# Altium PCB Main_Board.PcbDoc (part 13 of 19) (continued)
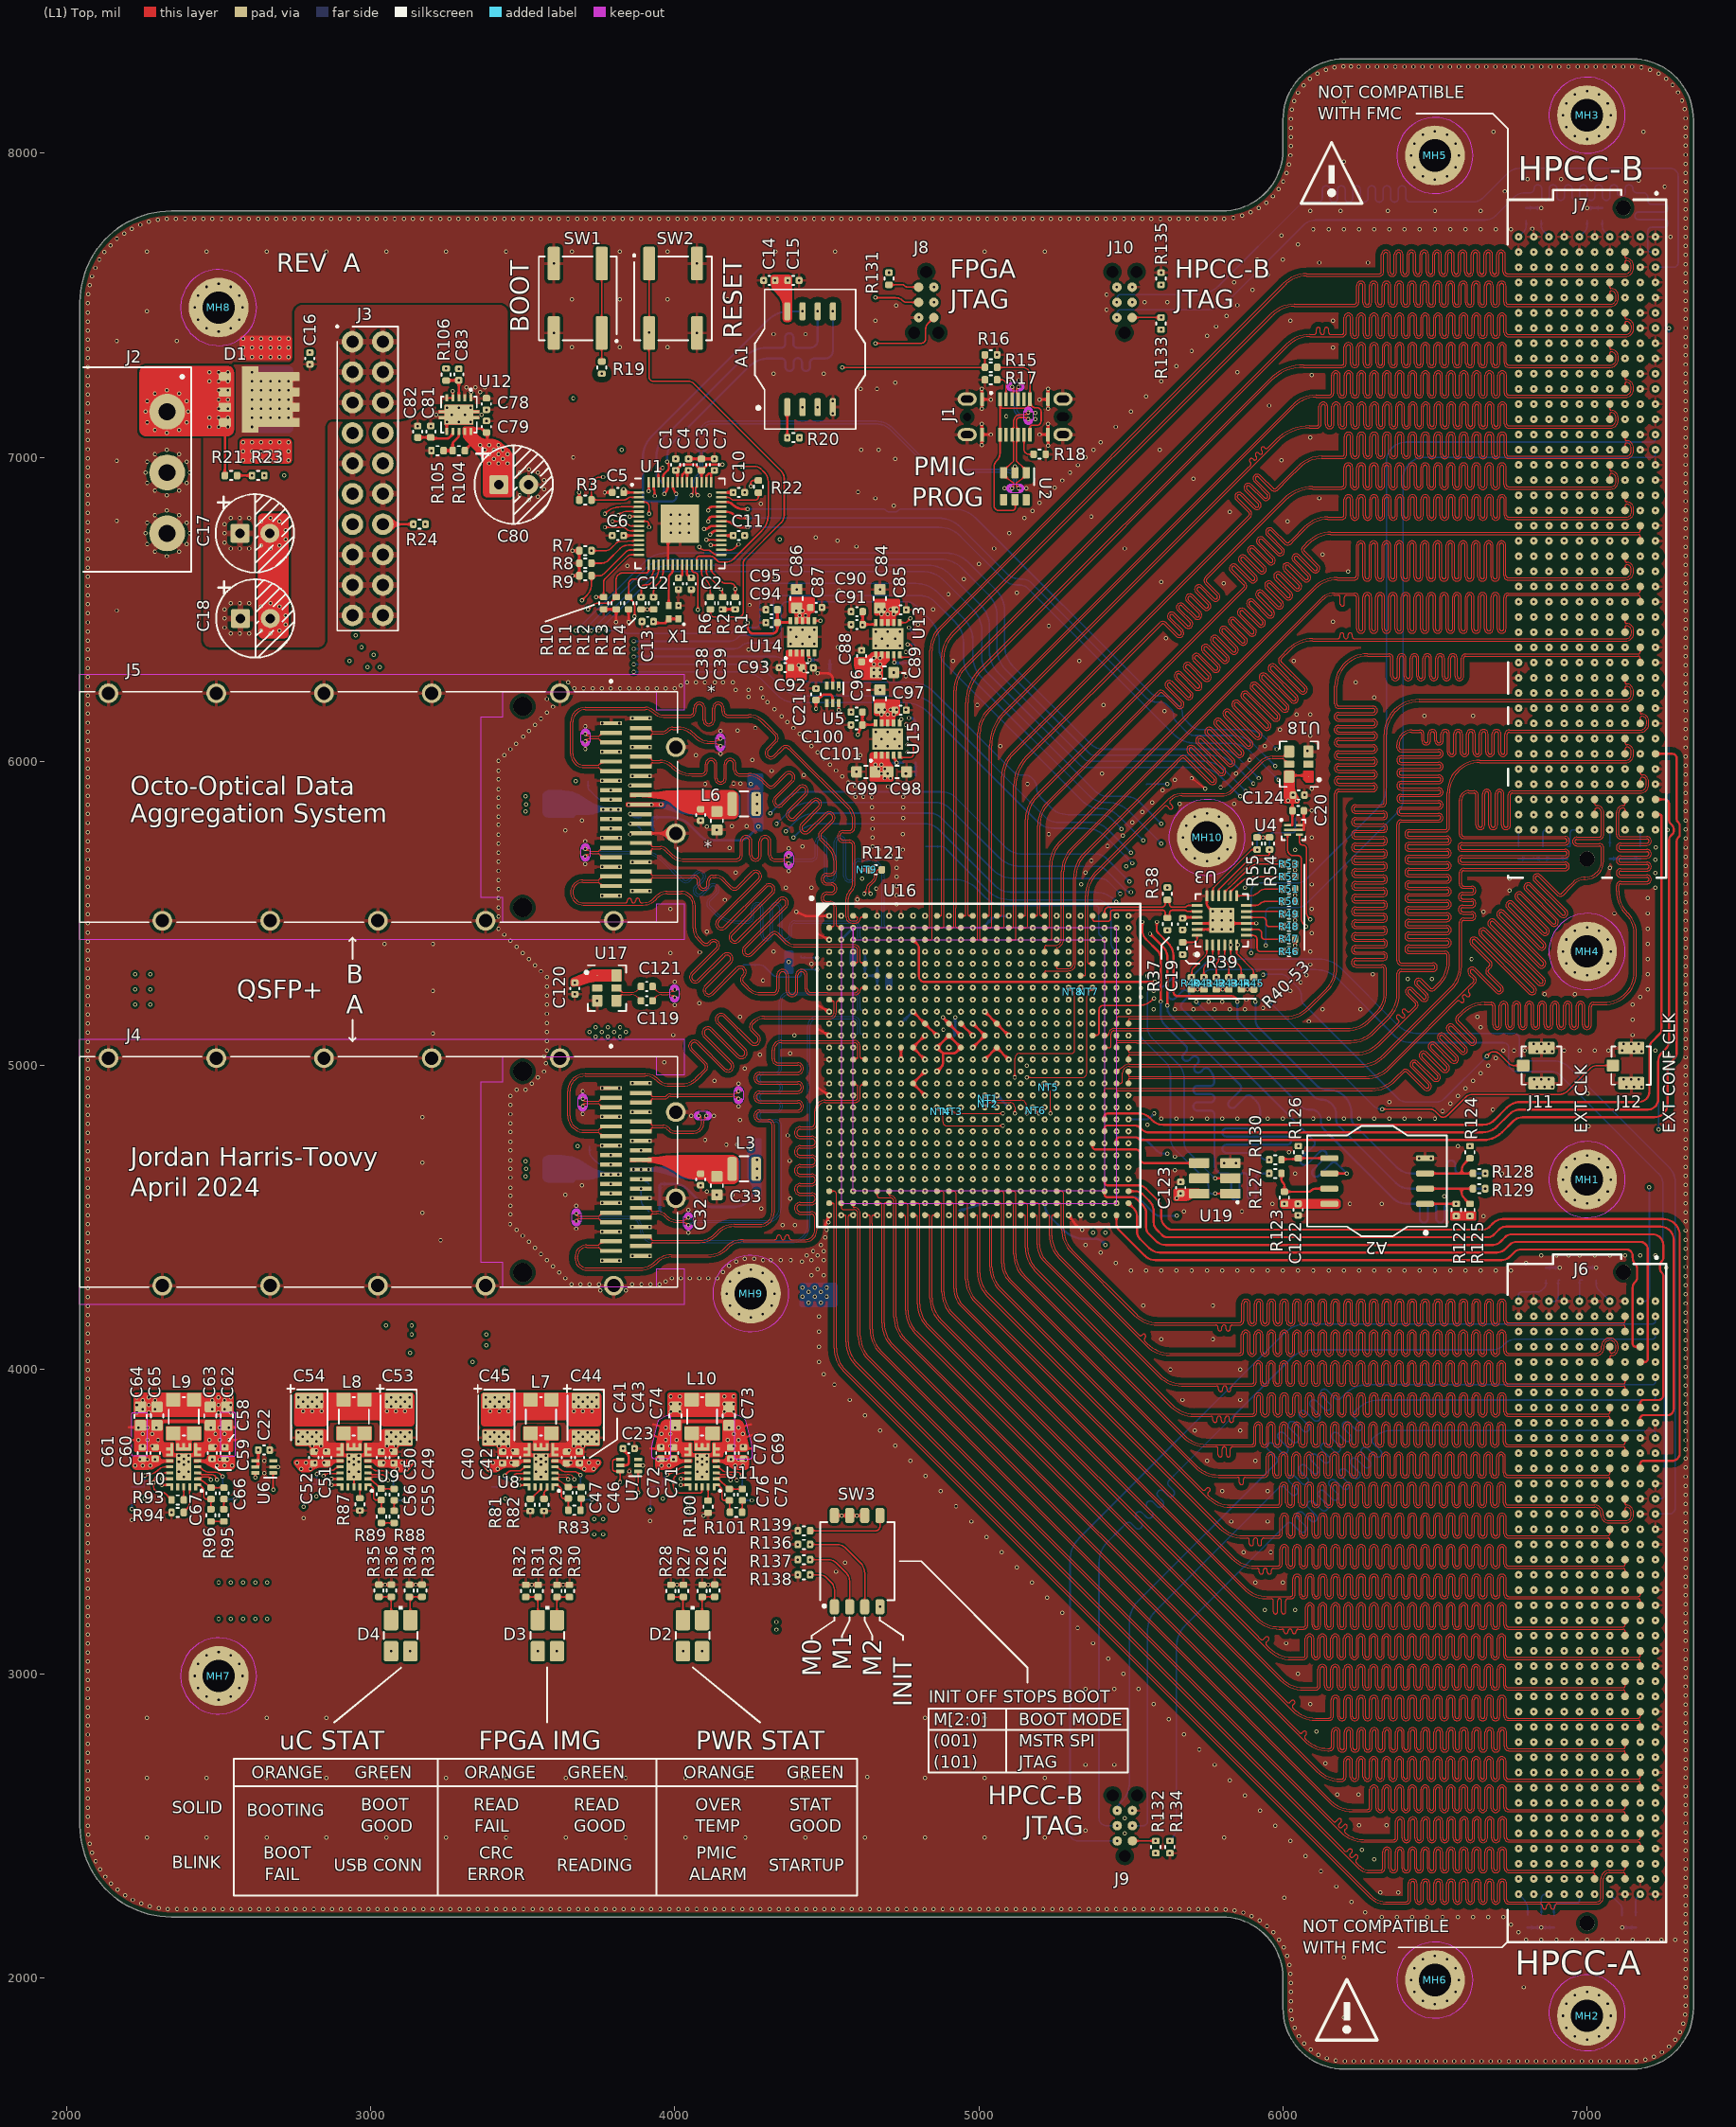
[diagram p0: (L1) Top view]
## Nets (pads, with @x,y where several pads share a name; then routed paths per layer and width w, separated by ;. In a path a pad name is that pad's centre, name@x,y a point inside that pad or via, vN(x,y) a via of type N, cw(c..) or ccw(c..) an arc to the next point about the centre after c; other vN are vias at no path point) (continued)
HPCC_B_35_P: J7.F4 U16.E11 | length 4159.4
  (L8) Inner 7 w3.5: v1(4901.57,5334.65) 4883.35,5334.65 cw(c4883.35,5339.74) 4878.26,5339.74 4878.26,5516.23 ccw(c4875.78,5516.23) 4877.53,5517.98 cw(c4879.28,5519.73) 4876.81,5519.73 4876.81,6344.19 cw(c4985.61,6344.19) 4908.68,6421.12 6010.49,7522.93 cw(c6087.42,7446) 6087.42,7554.8 6271.98,7554.8 6299.45,7554.8 cw(c6299.45,7539.25) 6315,7539.25 6315,7511.07 ccw(c6321.75,7511.07) 6328.5,7511.07 6328.5,7539.43 cw(c6344.05,7539.43) 6359.6,7539.43 6359.6,7511.07 ccw(c6366.35,7511.07) 6373.1,7511.07 6373.1,7539.43 cw(c6388.65,7539.43) 6404.2,7539.43 6404.2,7511.07 ccw(c6410.95,7511.07) 6417.7,7511.07 6417.7,7539.43 cw(c6433.25,7539.43) 6448.8,7539.43 6448.8,7511.07 ccw(c6455.55,7511.07) 6462.3,7511.07 6462.3,7539.43 cw(c6477.85,7539.43) 6493.4,7539.43 6493.4,7511.07 ccw(c6500.15,7511.07) 6506.9,7511.07 6506.9,7539.43 cw(c6522.45,7539.43) 6538,7539.43 6538,7511.07 ccw(c6544.75,7511.07) 6551.5,7511.07 6551.5,7539.25 cw(c6567.05,7539.25) 6567.05,7554.8 6573.2,7554.8 6972,7554.8 ccw(c6972,7557.8) 6975,7557.8 v1(6975,7575)
HPCC_B_36_N: J7.F9 U16.E12 | length 4185.3
  (L8) Inner 7 w3.5: v1(4940.94,5334.65) 4953.45,5334.65 ccw(c4953.45,5338.15) 4955.93,5335.67 ccw(c4953.45,5338.15) 4956.95,5338.15 4956.95,6214.33 cw(c5065.75,6214.33) 4988.82,6291.27 5969.49,7271.93 cw(c6046.42,7195) 6046.42,7303.8 6446,7303.8 6475.69,7303.8 ccw(c6475.69,7310.55) 6482.44,7310.55 6482.44,7356.46 cw(c6497.99,7356.46) 6513.54,7356.46 6513.54,7309.76 ccw(c6520.29,7309.76) 6527.04,7309.76 6527.04,7356.46 cw(c6542.59,7356.46) 6558.14,7356.46 6558.14,7309.76 ccw(c6564.89,7309.76) 6571.64,7309.76 6571.64,7356.46 cw(c6587.19,7356.46) 6602.74,7356.46 6602.74,7309.76 ccw(c6609.49,7309.76) 6616.24,7309.76 6616.24,7356.46 cw(c6631.79,7356.46) 6647.34,7356.46 6647.34,7309.76 ccw(c6654.09,7309.76) 6660.84,7309.76 6660.84,7356.46 cw(c6676.39,7356.46) 6691.94,7356.46 6691.94,7309.76 ccw(c6698.69,7309.76) 6705.44,7309.76 6705.44,7356.46 cw(c6720.99,7356.46) 6736.54,7356.46 6736.54,7310.55 ccw(c6743.29,7310.55) 6743.29,7303.8 6771.74,7303.8 6981.8,7303.8 ccw(c6981.8,7319) 6997,7319 6997,7329 ccw(c6979,7329) 6979,7347 ccw(c6979,7343) 6975,7343 v1(6975,7325)
HPCC_B_36_P: J7.F8 U16.E13 | length 4241.8
  (L8) Inner 7 w3.5: v1(4980.31,5334.65) 4967.8,5334.65 cw(c4967.8,5338.15) 4965.33,5335.67 cw(c4967.81,5338.15) 4964.3,5338.15 4964.3,5516.23 cw(c4966.78,5516.23) 4965.03,5517.98 ccw(c4963.28,5519.73) 4965.75,5519.73 4965.75,6214.33 cw(c5065.75,6214.33) 4995.04,6285.04 5975.71,7265.71 cw(c6046.42,7195) 6046.42,7295 6360.48,7295 6375.73,7295 cw(c6375.73,7288.25) 6382.48,7288.25 6382.48,7285.42 ccw(c6389.23,7285.42) 6395.98,7285.42 6395.98,7289.7 cw(c6402.73,7289.7) 6409.48,7289.7 6409.48,7285.42 ccw(c6416.23,7285.42) 6422.98,7285.42 6422.98,7288.25 cw(c6429.73,7288.25) 6429.73,7295 6444,7295 6446,7295 6475.69,7295 ccw(c6475.69,7310.55) 6491.24,7310.55 6491.24,7356.46 cw(c6497.99,7356.46) 6504.74,7356.46 6504.74,7309.76 ccw(c6520.29,7309.76) 6535.84,7309.76 6535.84,7356.46 cw(c6542.59,7356.46) 6549.34,7356.46 6549.34,7309.76 ccw(c6564.89,7309.76) 6580.44,7309.76 6580.44,7356.46 cw(c6587.19,7356.46) 6593.94,7356.46 6593.94,7309.76 ccw(c6609.49,7309.76) 6625.04,7309.76 6625.04,7356.46 cw(c6631.79,7356.46) 6638.54,7356.46 6638.54,7309.76 ccw(c6654.09,7309.76) 6669.64,7309.76 6669.64,7356.46 cw(c6676.39,7356.46) 6683.14,7356.46 6683.14,7309.76 ccw(c6698.69,7309.76) 6714.24,7309.76 6714.24,7356.46 cw(c6720.99,7356.46) 6727.74,7356.46 6727.74,7310.55 ccw(c6743.29,7310.55) 6743.29,7295 6771.74,7295 6981.8,7295 ccw(c6981.8,7319) 7005.8,7319 7005.8,7329 ccw(c6979,7329) 6979,7355.8 cw(c6979,7359.8) 6975,7359.8 v1(6975,7375)
HPCC_B_37_N: J7.F13 U16.E16 | length 4015.9
  (L8) Inner 7 w3.5: v1(5098.43,5334.65) 5098.43,5353.57 ccw(c5093.66,5353.57) 5093.66,5358.34 5059.72,5358.34 cw(c5059.06,5374.02) 5043.37,5373.81 5043.37,5373.88 5042.83,5439.85 5042.83,5515 5042.83,6071.4 cw(c5142.83,6071.4) 5072.11,6142.11 6045.71,7115.71 cw(c6116.42,7045) 6116.42,7145 6266.69,7145 6287.85,7145 cw(c6287.85,7138.25) 6294.6,7138.25 6294.6,7113.02 ccw(c6310.15,7113.02) 6325.7,7113.02 6325.7,7141.79 cw(c6332.45,7141.79) 6339.2,7141.79 6339.2,7113.02 ccw(c6354.75,7113.02) 6370.3,7113.02 6370.3,7141.79 cw(c6377.05,7141.79) 6383.8,7141.79 6383.8,7113.02 ccw(c6399.35,7113.02) 6414.9,7113.02 6414.9,7141.79 cw(c6421.65,7141.79) 6428.4,7141.79 6428.4,7113.02 ccw(c6443.95,7113.02) 6459.5,7113.02 6459.5,7141.79 cw(c6466.25,7141.79) 6473,7141.79 6473,7113.02 ccw(c6488.55,7113.02) 6504.1,7113.02 6504.1,7141.79 cw(c6510.85,7141.79) 6517.6,7141.79 6517.6,7113.02 ccw(c6533.15,7113.02) 6548.7,7113.02 6548.7,7141.79 cw(c6555.45,7141.79) 6562.2,7141.79 6562.2,7113.02 ccw(c6577.75,7113.02) 6593.3,7113.02 6593.3,7141.79 cw(c6600.05,7141.79) 6606.8,7141.79 6606.8,7113.02 ccw(c6622.35,7113.02) 6637.9,7113.02 6637.9,7141.79 cw(c6644.65,7141.79) 6651.4,7141.79 6651.4,7113.02 ccw(c6666.95,7113.02) 6682.5,7113.02 6682.5,7141.79 cw(c6689.25,7141.79) 6696,7141.79 6696,7113.02 ccw(c6711.55,7113.02) 6727.1,7113.02 6727.1,7138.25 cw(c6733.85,7138.25) 6733.85,7145 6740,7145 6969,7145 cw(c6969,7139) 6975,7139 v1(6975,7125)
HPCC_B_37_P: J7.F12 U16.E15 | length 3995.9
  (L8) Inner 7 w3.5: 5036.02,5373.79 5036.02,5373.71 ccw(c5059.06,5374.02) 5044.25,5356.37 ccw(c5059.06,5374.02) 5051.3,5352.32 ccw(c5059.06,5374.02) 5051.5,5352.25 5055.29,5350.94 cw(c5054.14,5347.63) 5056.56,5350.16 ; 5036.02,5373.83 5035.48,5439.79 5035.48,5515 5035.48,5516.23 ccw(c5033,5516.23) 5034.75,5517.98 cw(c5036.5,5519.73) 5034.03,5519.73 5034.03,6071.4 cw(c5142.83,6071.4) 5065.89,6148.34 6039.49,7121.93 cw(c6116.42,7045) 6116.42,7153.8 6266.69,7153.8 6287.85,7153.8 cw(c6287.85,7138.25) 6303.4,7138.25 6303.4,7113.02 ccw(c6310.15,7113.02) 6316.9,7113.02 6316.9,7141.79 cw(c6332.45,7141.79) 6348,7141.79 6348,7113.02 ccw(c6354.75,7113.02) 6361.5,7113.02 6361.5,7141.79 cw(c6377.05,7141.79) 6392.6,7141.79 6392.6,7113.02 ccw(c6399.35,7113.02) 6406.1,7113.02 6406.1,7141.79 cw(c6421.65,7141.79) 6437.2,7141.79 6437.2,7113.02 ccw(c6443.95,7113.02) 6450.7,7113.02 6450.7,7141.79 cw(c6466.25,7141.79) 6481.8,7141.79 6481.8,7113.02 ccw(c6488.55,7113.02) 6495.3,7113.02 6495.3,7141.79 cw(c6510.85,7141.79) 6526.4,7141.79 6526.4,7113.02 ccw(c6533.15,7113.02) 6539.9,7113.02 6539.9,7141.79 cw(c6555.45,7141.79) 6571,7141.79 6571,7113.02 ccw(c6577.75,7113.02) 6584.5,7113.02 6584.5,7141.79 cw(c6600.05,7141.79) 6615.6,7141.79 6615.6,7113.02 ccw(c6622.35,7113.02) 6629.1,7113.02 6629.1,7141.79 cw(c6644.65,7141.79) 6660.2,7141.79 6660.2,7113.02 ccw(c6666.95,7113.02) 6673.7,7113.02 6673.7,7141.79 cw(c6689.25,7141.79) 6704.8,7141.79 6704.8,7113.02 ccw(c6711.55,7113.02) 6718.3,7113.02 6718.3,7138.25 cw(c6733.85,7138.25) 6733.85,7153.8 6740,7153.8 6969,7153.8 ccw(c6969,7159.8) 6975,7159.8 v1(6975,7175) ; 5056.59,5350.13 5057.21,5349.51 cw(c5052.77,5345.06) 5059.06,5345.06 v1(5059.06,5334.65)
HPCC_B_38_N: J7.F17 U16.E17 | length 4195.3
  (L8) Inner 7 w3.5: v1(5137.8,5334.65) 5137.8,5335 5125,5335 cw(c5125,5338.27) 5121.73,5338.27 5121.73,5930.31 cw(c5221.73,5930.31) 5151.02,6001.02 6065.71,6915.71 cw(c6136.42,6845) 6132.64,6944.93 cw(c6136.42,6845) 6134.39,6944.98 6136.42,6945 6147.89,6945 cw(c6147.89,6938.25) 6154.64,6938.25 6154.64,6922.04 ccw(c6161.39,6922.04) 6168.14,6922.04 6168.14,6938.25 cw(c6174.89,6938.25) 6174.89,6945 6188,6945 6224.95,6945 ccw(c6224.95,6960.55) 6240.5,6960.55 6240.5,6999.21 cw(c6247.25,6999.21) 6254,6999.21 6254,6908.64 ccw(c6269.55,6908.64) 6285.1,6908.64 6285.1,6999.21 cw(c6291.85,6999.21) 6298.6,6999.21 6298.6,6908.64 ccw(c6314.15,6908.64) 6329.7,6908.64 6329.7,6999.21 cw(c6336.45,6999.21) 6343.2,6999.21 6343.2,6908.64 ccw(c6358.75,6908.64) 6374.3,6908.64 6374.3,6999.21 cw(c6381.05,6999.21) 6387.8,6999.21 6387.8,6908.64 ccw(c6403.35,6908.64) 6418.9,6908.64 6418.9,6999.21 cw(c6425.65,6999.21) 6432.4,6999.21 6432.4,6908.64 ccw(c6447.95,6908.64) 6463.5,6908.64 6463.5,6999.21 cw(c6470.25,6999.21) 6477,6999.21 6477,6908.64 ccw(c6492.55,6908.64) 6508.1,6908.64 6508.1,6938.25 cw(c6514.85,6938.25) 6514.85,6945 6521,6945 6970,6945 cw(c6970,6940) 6975,6940 v1(6975,6925)
HPCC_B_38_P: J7.F16 U16.F17 | length 4208.3
  (L8) Inner 7 w3.5: v1(5137.8,5295.28) 5120.72,5295.28 cw(c5120.72,5301.62) 5114.38,5301.62 5114.38,5516.23 ccw(c5111.91,5516.23) 5113.66,5517.98 cw(c5115.41,5519.73) 5112.93,5519.73 5112.93,5930.31 cw(c5221.73,5930.31) 5144.8,6007.24 6059.49,6921.93 cw(c6136.42,6845) 6136.42,6953.8 6188,6953.8 6224.95,6953.8 ccw(c6224.95,6960.55) 6231.7,6960.55 6231.7,6999.21 cw(c6247.25,6999.21) 6262.8,6999.21 6262.8,6908.64 ccw(c6269.55,6908.64) 6276.3,6908.64 6276.3,6999.21 cw(c6291.85,6999.21) 6307.4,6999.21 6307.4,6908.64 ccw(c6314.15,6908.64) 6320.9,6908.64 6320.9,6999.21 cw(c6336.45,6999.21) 6352,6999.21 6352,6908.64 ccw(c6358.75,6908.64) 6365.5,6908.64 6365.5,6999.21 cw(c6381.05,6999.21) 6396.6,6999.21 6396.6,6908.64 ccw(c6403.35,6908.64) 6410.1,6908.64 6410.1,6999.21 cw(c6425.65,6999.21) 6441.2,6999.21 6441.2,6908.64 ccw(c6447.95,6908.64) 6454.7,6908.64 6454.7,6999.21 cw(c6470.25,6999.21) 6485.8,6999.21 6485.8,6908.64 ccw(c6492.55,6908.64) 6499.3,6908.64 6499.3,6938.25 cw(c6514.85,6938.25) 6514.85,6953.8 6521,6953.8 6970,6953.8 ccw(c6970,6958.8) 6975,6958.8 v1(6975,6975)
HPCC_B_39_N: J7.F21 U16.F18 | length 4205
  (L10) Inner 9 w3.5: v1(5177.17,5295.28) 5177.17,5295 5165,5295 cw(c5165,5299) 5161,5299 5161,5749.58 cw(c5261,5749.58) 5190.29,5820.29 5516.34,6146.34 5527.12,6157.12 cw(c5531.9,6152.35) 5536.67,6157.12 5543.24,6150.55 ccw(c5548.01,6155.33) 5552.78,6150.55 ccw(c5548.01,6155.33) 5552.78,6160.1 5545.22,6167.67 cw(c5549.99,6172.44) 5545.22,6177.21 cw(c5549.99,6172.44) 5554.76,6177.21 5562.33,6169.65 ccw(c5567.1,6174.42) 5571.88,6169.65 ; 5571.87,6169.65 ccw(c5567.1,6174.42) 5571.87,6179.19 ; 5571.88,6179.19 5565.31,6185.76 cw(c5570.08,6190.53) 5565.31,6195.31 5572.06,6202.06 5575.32,6205.32 5592.32,6222.32 cw(c5597.09,6217.55) 5601.87,6222.32 5646.43,6177.76 ccw(c5657.45,6188.72) 5668.45,6177.73 ccw(c5657.45,6188.72) 5669.74,6198.26 5669.74,6198.43 5622.11,6246.06 cw(c5626.91,6250.81) 5622.13,6255.58 cw(c5626.91,6250.81) 5631.7,6255.56 5677.97,6209.29 ; 5677.98,6209.28 ccw(c5688.99,6220.26) 5699.98,6209.27 ccw(c5688.99,6220.26) 5701.27,6229.8 5701.27,6229.97 5653.65,6277.59 cw(c5658.44,6282.34) 5653.67,6287.12 cw(c5658.44,6282.34) 5663.23,6287.1 5709.5,6240.83 ; 5694.77,6318.64 ccw(c5689.98,6313.88) 5685.21,6318.65 ccw(c5689.98,6313.88) 5685.18,6309.13 5732.81,6261.5 5732.81,6261.33 cw(c5720.53,6251.8) 5731.52,6240.8 cw(c5720.53,6251.8) 5709.51,6240.82 ; 5694.78,6318.63 5741.04,6272.37 ccw(c5752.06,6283.33) 5763.06,6272.34 ccw(c5752.06,6283.33) 5764.35,6292.87 5764.35,6293.04 5716.72,6340.67 cw(c5721.52,6345.42) 5716.74,6350.19 cw(c5721.52,6345.42) 5726.31,6350.17 5772.58,6303.9 ccw(c5783.6,6314.87) 5794.59,6303.88 ccw(c5783.6,6314.87) 5795.88,6324.41 5795.88,6324.58 5748.26,6372.2 cw(c5753.05,6376.95) 5748.28,6381.73 cw(c5753.05,6376.95) 5757.84,6381.71 5804.11,6335.44 ccw(c5815.14,6346.41) 5826.13,6335.41 ccw(c5815.14,6346.41) 5827.42,6355.94 5827.42,6356.12 5779.8,6403.74 cw(c5784.59,6408.49) 5779.82,6413.26 cw(c5784.59,6408.49) 5789.38,6413.25 5835.65,6366.98 ; 5820.92,6444.78 ccw(c5816.13,6440.03) 5811.35,6444.8 ccw(c5816.13,6440.03) 5811.33,6435.28 5858.96,6387.65 5858.96,6387.48 cw(c5846.67,6377.95) 5857.67,6366.95 cw(c5846.67,6377.95) 5835.66,6366.97 ; 5820.93,6444.77 5867.19,6398.51 ccw(c5878.21,6409.48) 5889.2,6398.49 ccw(c5878.21,6409.48) 5890.49,6419.02 5890.49,6419.19 5842.87,6466.81 cw(c5847.66,6471.56) 5842.89,6476.34 cw(c5847.66,6471.56) 5852.45,6476.32 5898.72,6430.05 ; 5898.73,6430.04 ccw(c5909.75,6441.02) 5920.74,6430.02 ccw(c5909.75,6441.02) 5922.03,6450.55 5922.03,6450.73 5876.15,6496.61 cw(c5880.92,6501.38) 5876.15,6506.15 5880.5,6510.5 6086.71,6716.71 cw(c6157.42,6646) 6157.42,6746 6970,6746 cw(c6970,6741) 6975,6741 v1(6975,6725)
HPCC_B_39_P: J7.F20 U16.G17 | length 4185.4
  (L10) Inner 9 w3.5: v1(5137.8,5255.91) 5148.09,5255.91 ccw(c5148.09,5261.46) 5153.65,5261.46 5153.65,5516.23 ccw(c5151.17,5516.23) 5152.93,5517.98 ; 5152.92,5517.98 cw(c5154.68,5519.73) 5152.2,5519.73 5152.2,5749.58 cw(c5261,5749.58) 5184.07,5826.51 5569.1,6211.55 5586.1,6228.54 cw(c5597.09,6217.55) 5608.09,6228.54 5652.7,6183.93 ccw(c5657.45,6188.72) 5662.22,6183.95 ccw(c5657.45,6188.72) 5662.21,6193.51 5615.94,6239.78 cw(c5626.91,6250.81) 5615.91,6261.8 cw(c5626.91,6250.81) 5636.44,6263.09 5636.61,6263.09 5684.24,6215.47 ccw(c5688.99,6220.26) 5693.76,6215.49 ccw(c5688.99,6220.26) 5693.75,6225.05 5647.47,6271.32 ; 5647.46,6271.33 cw(c5658.44,6282.34) 5647.45,6293.34 cw(c5658.44,6282.34) 5667.98,6294.63 5668.15,6294.63 5715.77,6247 ccw(c5720.53,6251.8) 5725.3,6247.02 ccw(c5720.53,6251.8) 5725.28,6256.59 ; 5725.27,6256.6 5679.01,6302.86 cw(c5689.98,6313.88) 5678.98,6324.88 cw(c5689.98,6313.88) 5699.51,6326.16 5699.69,6326.16 5747.31,6278.54 ccw(c5752.06,6283.33) 5756.83,6278.56 ccw(c5752.06,6283.33) 5756.82,6288.12 ; 5742.07,6365.94 cw(c5753.05,6376.95) 5742.06,6387.95 cw(c5753.05,6376.95) 5762.59,6389.24 5762.76,6389.24 5810.38,6341.61 ccw(c5815.14,6346.41) 5819.91,6341.64 ccw(c5815.14,6346.41) 5819.89,6351.2 5773.62,6397.47 ; 5742.09,6365.93 5788.34,6319.67 cw(c5783.6,6314.87) 5788.37,6310.1 cw(c5783.6,6314.87) 5778.85,6310.08 5731.22,6357.7 5731.05,6357.7 ccw(c5721.52,6345.42) 5710.52,6356.41 ccw(c5721.52,6345.42) 5710.54,6334.41 5756.81,6288.13 ; 5773.61,6397.48 cw(c5784.59,6408.49) 5773.59,6419.49 cw(c5784.59,6408.49) 5794.12,6420.77 5794.3,6420.77 5841.92,6373.15 ccw(c5846.67,6377.95) 5851.45,6373.17 ccw(c5846.67,6377.95) 5851.43,6382.73 ; 5851.42,6382.75 5805.16,6429 cw(c5816.13,6440.03) 5805.13,6451.02 cw(c5816.13,6440.03) 5825.66,6452.31 5825.83,6452.31 5873.46,6404.69 ccw(c5878.21,6409.48) 5882.98,6404.71 ccw(c5878.21,6409.48) 5882.97,6414.27 ; 5882.95,6414.28 5836.7,6460.54 cw(c5847.66,6471.56) 5836.67,6482.56 cw(c5847.66,6471.56) 5857.2,6483.85 5857.37,6483.85 5904.99,6436.22 ccw(c5909.75,6441.02) 5914.52,6436.25 ccw(c5909.75,6441.02) 5914.5,6445.81 5869.96,6490.36 cw(c5880.92,6501.38) 5869.93,6512.37 5874.28,6516.72 6080.49,6722.93 cw(c6157.42,6646) 6157.42,6754.8 6970,6754.8 ccw(c6970,6759.8) 6975,6759.8 v1(6975,6775)
HPCC_B_40_N: J7.F25 U16.K17 | length 4394
  (L10) Inner 9 w3.5: v1(5137.8,5137.8) 5137.8,5149.22 cw(c5142.58,5149.22) 5142.58,5154 5216.15,5154 ccw(c5216.15,5177.68) 5239.83,5177.68 5239.83,5598.41 cw(c5339.83,5598.41) 5269.12,5669.12 6116.71,6516.71 cw(c6187.42,6446) 6187.42,6546 6421.9,6546 6428.05,6546 ccw(c6428.05,6561.55) 6443.6,6561.55 6443.6,6665.5 cw(c6450.35,6665.5) 6457.1,6665.5 6457.1,6557.57 ccw(c6472.65,6557.57) 6488.2,6557.57 6488.2,6665.5 cw(c6494.95,6665.5) 6501.7,6665.5 6501.7,6557.57 ccw(c6517.25,6557.57) 6532.8,6557.57 6532.8,6665.5 cw(c6539.55,6665.5) 6546.3,6665.5 6546.3,6557.57 ccw(c6561.85,6557.57) 6577.4,6557.57 6577.4,6665.5 cw(c6584.15,6665.5) 6590.9,6665.5 6590.9,6557.57 ccw(c6606.45,6557.57) 6622,6557.57 6622,6665.5 cw(c6628.75,6665.5) 6635.5,6665.5 6635.5,6557.57 ccw(c6651.05,6557.57) 6666.6,6557.57 6666.6,6665.5 cw(c6673.35,6665.5) 6680.1,6665.5 6680.1,6557.57 ccw(c6695.65,6557.57) 6711.2,6557.57 6711.2,6665.5 cw(c6717.95,6665.5) 6724.7,6665.5 6724.7,6561.55 ccw(c6740.25,6561.55) 6740.25,6546 6791.77,6546 6970,6546 cw(c6970,6541) 6975,6541 v1(6975,6525)
HPCC_B_40_P: J7.F24 U16.K16 | length 4441.9
  (L10) Inner 9 w3.5: v1(5098.43,5137.8) 5098.43,5155.17 cw(c5104.6,5155.17) 5104.6,5161.35 5216.15,5161.35 ccw(c5216.15,5177.68) 5232.48,5177.68 5232.48,5516.23 ccw(c5230.01,5516.23) 5231.76,5517.98 cw(c5233.51,5519.73) 5231.03,5519.73 5231.03,5598.41 cw(c5339.83,5598.41) 5262.9,5675.34 6110.49,6522.93 cw(c6187.42,6446) 6187.42,6554.8 6421.9,6554.8 6428.05,6554.8 ccw(c6428.05,6561.55) 6434.8,6561.55 6434.8,6665.5 cw(c6450.35,6665.5) 6465.9,6665.5 6465.9,6557.57 ccw(c6472.65,6557.57) 6479.4,6557.57 6479.4,6665.5 cw(c6494.95,6665.5) 6510.5,6665.5 6510.5,6557.57 ccw(c6517.25,6557.57) 6524,6557.57 6524,6665.5 cw(c6539.55,6665.5) 6555.1,6665.5 6555.1,6557.57 ccw(c6561.85,6557.57) 6568.6,6557.57 6568.6,6665.5 cw(c6584.15,6665.5) 6599.7,6665.5 6599.7,6557.57 ccw(c6606.45,6557.57) 6613.2,6557.57 6613.2,6665.5 cw(c6628.75,6665.5) 6644.3,6665.5 6644.3,6557.57 ccw(c6651.05,6557.57) 6657.8,6557.57 6657.8,6665.5 cw(c6673.35,6665.5) 6688.9,6665.5 6688.9,6557.57 ccw(c6695.65,6557.57) 6702.4,6557.57 6702.4,6665.5 cw(c6717.95,6665.5) 6733.5,6665.5 6733.5,6561.55 ccw(c6740.25,6561.55) 6740.25,6554.8 6791.77,6554.8 6970,6554.8 ccw(c6970,6559.8) 6975,6559.8 v1(6975,6575)
HPCC_B_41_N: J7.F29 U16.L18 | length 4385.1
  (L10) Inner 9 w3.5: v1(5177.17,5098.43) 5177,5098.43 5177,5086 ccw(c5180.85,5086) 5180.85,5082.15 5860.73,5082.15 ccw(c5860.73,5182.15) 5931.44,5111.44 6090.71,5270.71 ccw(c6020,5341.42) 6120,5341.42 6120,6295 cw(c6228.8,6295) 6228.8,6403.8 6270.98,6403.8 6277.13,6403.8 ccw(c6277.13,6410.55) 6283.88,6410.55 6283.88,6462.79 cw(c6299.43,6462.79) 6314.98,6462.79 6314.98,6409.52 ccw(c6321.73,6409.52) 6328.48,6409.52 6328.48,6462.79 cw(c6344.03,6462.79) 6359.58,6462.79 6359.58,6409.52 ccw(c6366.33,6409.52) 6373.08,6409.52 6373.08,6462.79 cw(c6388.63,6462.79) 6404.18,6462.79 6404.18,6409.52 ccw(c6410.93,6409.52) 6417.68,6409.52 6417.68,6462.79 cw(c6433.23,6462.79) 6448.78,6462.79 6448.78,6409.52 ccw(c6455.53,6409.52) 6462.28,6409.52 6462.28,6462.79 cw(c6477.83,6462.79) 6493.38,6462.79 6493.38,6409.52 ccw(c6500.13,6409.52) 6506.88,6409.52 6506.88,6462.79 cw(c6522.43,6462.79) 6537.98,6462.79 6537.98,6409.52 ccw(c6544.73,6409.52) 6551.48,6409.52 6551.48,6462.79 cw(c6567.03,6462.79) 6582.58,6462.79 6582.58,6409.52 ccw(c6589.33,6409.52) 6596.08,6409.52 6596.08,6462.79 cw(c6611.63,6462.79) 6627.18,6462.79 6627.18,6409.52 ccw(c6633.93,6409.52) 6640.68,6409.52 6640.68,6462.79 cw(c6656.23,6462.79) 6671.78,6462.79 6671.78,6409.52 ccw(c6678.53,6409.52) 6685.28,6409.52 6685.28,6462.79 cw(c6700.83,6462.79) 6716.38,6462.79 6716.38,6410.55 ccw(c6723.13,6410.55) 6723.13,6403.8 6745,6403.8 6979,6403.8 cw(c6979,6377) 7005.8,6377 7005.8,6372 cw(c6979,6372) 6979,6345.2 ccw(c6979,6341.2) 6975,6341.2 v1(6975,6325)
HPCC_B_41_P: J7.F28 U16.M17 | length 4396.9
  (L10) Inner 9 w3.5: v1(5137.8,5059.06) 5137.8,5069.2 cw(c5143.39,5069.2) 5143.39,5074.8 5515,5074.8 ccw(c5516.45,5074.8) 5516.45,5073.35 5860.73,5073.35 ccw(c5860.73,5182.15) 5937.66,5105.22 6096.93,5264.49 ccw(c6020,5341.42) 6128.8,5341.42 6128.8,6295 cw(c6228.8,6295) 6228.8,6395 6270.98,6395 6277.13,6395 ccw(c6277.13,6410.55) 6292.68,6410.55 6292.68,6462.79 cw(c6299.43,6462.79) 6306.18,6462.79 6306.18,6409.52 ccw(c6321.73,6409.52) 6337.28,6409.52 6337.28,6462.79 cw(c6344.03,6462.79) 6350.78,6462.79 6350.78,6409.52 ccw(c6366.33,6409.52) 6381.88,6409.52 6381.88,6462.79 cw(c6388.63,6462.79) 6395.38,6462.79 6395.38,6409.52 ccw(c6410.93,6409.52) 6426.48,6409.52 6426.48,6462.79 cw(c6433.23,6462.79) 6439.98,6462.79 6439.98,6409.52 ccw(c6455.53,6409.52) 6471.08,6409.52 6471.08,6462.79 cw(c6477.83,6462.79) 6484.58,6462.79 6484.58,6409.52 ccw(c6500.13,6409.52) 6515.68,6409.52 6515.68,6462.79 cw(c6522.43,6462.79) 6529.18,6462.79 6529.18,6409.52 ccw(c6544.73,6409.52) 6560.28,6409.52 6560.28,6462.79 cw(c6567.03,6462.79) 6573.78,6462.79 6573.78,6409.52 ccw(c6589.33,6409.52) 6604.88,6409.52 6604.88,6462.79 cw(c6611.63,6462.79) 6618.38,6462.79 6618.38,6409.52 ccw(c6633.93,6409.52) 6649.48,6409.52 6649.48,6462.79 cw(c6656.23,6462.79) 6662.98,6462.79 6662.98,6409.52 ccw(c6678.53,6409.52) 6694.08,6409.52 6694.08,6462.79 cw(c6700.83,6462.79) 6707.58,6462.79 6707.58,6410.55 ccw(c6723.13,6410.55) 6723.13,6395 6745,6395 6979,6395 cw(c6979,6377) 6997,6377 6997,6372 cw(c6979,6372) 6979,6354 cw(c6979,6358) 6975,6358 v1(6975,6375)
HPCC_B_42_N: J7.F33 U16.N22 | length 4212.7
  (L10) Inner 9 w3.5: v1(5334.65,5019.69) 5334.65,5007.54 ccw(c5338.57,5007.54) 5338.57,5003.61 6092.19,5003.61 ccw(c6092.19,5103.61) 6162.9,5032.9 6305,5175 ccw(c6244.64,5235.36) 6330,5235.36 6330,5336.23 6330,5342.38 ccw(c6323.25,5342.38) 6323.25,5349.13 6236.55,5349.13 cw(c6236.55,5364.68) 6236.55,5380.23 6324.93,5380.23 ccw(c6324.93,5386.98) 6324.93,5393.73 6236.55,5393.73 cw(c6236.55,5409.28) 6236.55,5424.83 6324.93,5424.83 ccw(c6324.93,5431.58) 6324.93,5438.33 6236.55,5438.33 cw(c6236.55,5453.88) 6236.55,5469.43 6324.93,5469.43 ccw(c6324.93,5476.18) 6324.93,5482.93 6236.55,5482.93 cw(c6236.55,5498.48) 6236.55,5514.03 6324.93,5514.03 ccw(c6324.93,5520.78) 6324.93,5527.53 6236.55,5527.53 cw(c6236.55,5543.08) 6236.55,5558.63 6324.93,5558.63 ccw(c6324.93,5565.38) 6324.93,5572.13 6236.55,5572.13 cw(c6236.55,5587.68) 6236.55,5603.23 6324.93,5603.23 ccw(c6324.93,5609.98) 6324.93,5616.73 6236.55,5616.73 cw(c6236.55,5632.28) 6236.55,5647.83 6323.25,5647.83 ccw(c6323.25,5654.58) 6330,5654.58 6330,5677.75 6330,6095 cw(c6438.8,6095) 6438.8,6203.8 6978,6203.8 cw(c6978,6176) 7005.8,6176 7005.8,6171 cw(c6980,6171) 6980,6145.2 ccw(c6980,6140.2) 6975,6140.2 v1(6975,6125)
HPCC_B_42_P: J7.F32 U16.N21 | length 4232.4
  (L10) Inner 9 w3.5: v1(5295.28,5019.69) 5295.28,5002.45 ccw(c5301.47,5002.45) 5301.47,4996.26 5420.06,4996.26 5515,4996.26 ccw(c5516.45,4996.26) 5516.45,4994.81 6092.19,4994.81 ccw(c6092.19,5103.61) 6169.12,5026.68 6311.22,5168.78 ccw(c6244.64,5235.36) 6338.8,5235.36 6338.8,5336.23 6338.8,5342.38 ccw(c6323.25,5342.38) 6323.25,5357.93 6236.55,5357.93 cw(c6236.55,5364.68) 6236.55,5371.43 6324.93,5371.43 ccw(c6324.93,5386.98) 6324.93,5402.53 6236.55,5402.53 cw(c6236.55,5409.28) 6236.55,5416.03 6324.93,5416.03 ccw(c6324.93,5431.58) 6324.93,5447.13 6236.55,5447.13 cw(c6236.55,5453.88) 6236.55,5460.63 6324.93,5460.63 ccw(c6324.93,5476.18) 6324.93,5491.73 6236.55,5491.73 cw(c6236.55,5498.48) 6236.55,5505.23 6324.93,5505.23 ccw(c6324.93,5520.78) 6324.93,5536.33 6236.55,5536.33 cw(c6236.55,5543.08) 6236.55,5549.83 6324.93,5549.83 ccw(c6324.93,5565.38) 6324.93,5580.93 6236.55,5580.93 cw(c6236.55,5587.68) 6236.55,5594.43 6324.93,5594.43 ccw(c6324.93,5609.98) 6324.93,5625.53 6236.55,5625.53 cw(c6236.55,5632.28) 6236.55,5639.03 6323.25,5639.03 ccw(c6323.25,5654.58) 6338.8,5654.58 6338.8,5677.75 6338.8,6095 cw(c6438.8,6095) 6438.8,6195 6978,6195 cw(c6978,6176) 6997,6176 6997,6171 cw(c6980,6171) 6980,6154 cw(c6980,6159) 6975,6159 v1(6975,6175)
HPCC_B_43_N: J7.F37 U16.T19 | length 4397.9
  (L10) Inner 9 w3.5: v1(5216.54,4901.57) 5216.54,4890.66 ccw(c5221.8,4890.66) 5221.8,4885.4 6253.98,4885.4 ccw(c6253.98,4985.4) 6324.69,4914.69 6324.9,4914.9 6345.01,4935.01 cw(c6356.01,4924.02) 6367.01,4935.01 6421.95,4880.07 ccw(c6426.72,4884.84) 6431.49,4880.07 ccw(c6426.72,4884.84) 6431.49,4889.62 6375.94,4945.17 cw(c6386.93,4956.17) 6375.94,4967.17 cw(c6386.93,4956.17) 6397.93,4967.17 6453.48,4911.61 ccw(c6458.26,4916.38) 6463.03,4911.61 ccw(c6458.26,4916.38) 6463.03,4921.15 6407.47,4976.71 cw(c6418.47,4987.71) 6407.46,4998.69 ; 6407.49,4998.72 cw(c6418.47,4987.71) 6429.46,4998.7 6485.04,4943.12 ccw(c6489.79,4947.92) 6494.57,4943.15 ccw(c6489.79,4947.92) 6494.55,4952.71 6439.04,5008.22 ; 6439.03,5008.23 cw(c6450.01,5019.24) 6439.01,5030.24 cw(c6450.01,5019.24) 6459.54,5031.53 6459.71,5031.53 6516.58,4974.66 ccw(c6521.33,4979.45) 6526.1,4974.68 ccw(c6521.33,4979.46) 6526.09,4984.24 6470.57,5039.76 cw(c6481.54,5050.78) 6470.55,5061.78 cw(c6481.54,5050.78) 6491.08,5063.06 6491.25,5063.06 6548.12,5006.2 ccw(c6552.87,5010.99) 6557.64,5006.22 ccw(c6552.87,5010.99) 6557.62,5015.78 6502.11,5071.29 cw(c6513.08,5082.32) 6502.08,5093.31 cw(c6513.08,5082.32) 6522.61,5094.6 6522.79,5094.6 6579.65,5037.73 ccw(c6584.4,5042.53) 6589.18,5037.76 ccw(c6584.4,5042.53) 6589.16,5047.32 ; 6589.15,5047.33 6534.26,5102.22 cw(c6545.23,5113.24) 6534.23,5124.23 6550.17,5140.17 6550.71,5140.71 ccw(c6480,5211.42) 6580,5211.42 6580,5605.68 6580,5625.05 cw(c6595.55,5625.05) 6595.55,5640.6 6671.75,5640.6 ccw(c6671.75,5647.35) 6671.75,5654.1 6594.73,5654.1 cw(c6594.73,5669.65) 6594.73,5685.2 6671.75,5685.2 ccw(c6671.75,5691.95) 6671.75,5698.7 6594.73,5698.7 cw(c6594.73,5714.25) 6594.73,5729.8 6671.75,5729.8 ccw(c6671.75,5736.55) 6671.75,5743.3 6595.55,5743.3 cw(c6595.55,5758.85) 6580,5758.85 6580,5765 6580,5795 cw(c6688.8,5795) 6688.8,5903.8 6699,5903.8 6700.75,5903.8 ccw(c6700.75,5910.55) 6707.5,5910.55 6707.5,5929.27 cw(c6714.25,5929.27) 6721,5929.27 6721,5909.85 ccw(c6727.75,5909.85) 6734.5,5909.85 6734.5,5929.27 cw(c6741.25,5929.27) 6748,5929.27 6748,5910.55 ccw(c6754.75,5910.55) 6754.75,5903.8 6771,5903.8 6981.8,5903.8 ccw(c6981.8,5919) 6997,5919 6997,5929 ccw(c6980,5929) 6980,5946 ccw(c6980,5941) 6975,5941 v1(6975,5925)
HPCC_B_43_P: J7.F36 U16.T18 | length 4365
  (L10) Inner 9 w3.5: v1(5177.17,4901.57) 5177.17,4883.9 ccw(c5183.01,4883.9) 5183.01,4878.05 5515,4878.05 ccw(c5516.45,4878.05) 5516.45,4876.6 6253.98,4876.6 ccw(c6253.98,4985.4) 6330.91,4908.47 6331.12,4908.67 6351.24,4928.79 cw(c6356.01,4924.02) 6360.78,4928.79 6415.72,4873.85 ccw(c6426.72,4884.84) 6437.72,4873.85 ccw(c6426.72,4884.84) 6437.72,4895.84 6382.16,4951.4 cw(c6386.93,4956.17) 6382.16,4960.94 cw(c6386.93,4956.17) 6391.7,4960.94 6447.26,4905.39 ccw(c6458.26,4916.38) 6469.25,4905.39 ccw(c6458.26,4916.38) 6469.25,4927.38 6413.7,4982.93 cw(c6418.47,4987.71) 6423.24,4992.48 6478.77,4936.95 ; 6478.78,4936.94 ccw(c6489.79,4947.92) 6500.79,4936.92 ccw(c6489.79,4947.92) 6502.08,4957.45 6502.08,4957.62 6445.21,5014.49 cw(c6450.01,5019.24) 6445.23,5024.02 cw(c6450.01,5019.24) 6454.79,5024 6510.31,4968.49 ccw(c6521.33,4979.45) 6532.33,4968.46 ccw(c6521.33,4979.46) 6533.61,4988.99 6533.61,4989.16 6476.75,5046.03 cw(c6481.54,5050.78) 6476.77,5055.55 cw(c6481.54,5050.78) 6486.33,5055.54 6541.84,5000.02 ccw(c6552.87,5010.99) 6563.86,5000 ccw(c6552.87,5010.99) 6565.15,5020.53 6565.15,5020.7 6508.28,5077.57 cw(c6513.08,5082.32) 6508.31,5087.09 cw(c6513.08,5082.32) 6517.87,5087.07 ; 6517.88,5087.06 6573.38,5031.56 ccw(c6584.4,5042.53) 6595.4,5031.53 ccw(c6584.4,5042.53) 6596.69,5052.06 6596.69,5052.24 6540.46,5108.47 cw(c6545.23,5113.24) 6540.46,5118.01 6556.39,5133.95 6556.93,5134.49 ccw(c6480,5211.42) 6588.8,5211.42 6588.8,5605.68 6588.8,5625.05 cw(c6595.55,5625.05) 6595.55,5631.8 6671.75,5631.8 ccw(c6671.75,5647.35) 6671.75,5662.9 6594.73,5662.9 cw(c6594.73,5669.65) 6594.73,5676.4 6671.75,5676.4 ccw(c6671.75,5691.95) 6671.75,5707.5 6594.73,5707.5 cw(c6594.73,5714.25) 6594.73,5721 6671.75,5721 ccw(c6671.75,5736.55) 6671.75,5752.1 6595.55,5752.1 cw(c6595.55,5758.85) 6588.8,5758.85 6588.8,5765 6588.8,5795 cw(c6688.8,5795) 6688.8,5895 6981.8,5895 ccw(c6981.8,5919) 7005.8,5919 7005.8,5929 ccw(c6980,5929) 6980,5954.8 cw(c6980,5959.8) 6975,5959.8 v1(6975,5975)
HPCC_B_44_N: J7.G3 U16.F8 | length 3878.7
  (L10) Inner 9 w3.5: v1(4783.46,5295.28) 4795.97,5295.28 ccw(c4795.97,5298.78) 4798.45,5296.3 ccw(c4795.97,5298.78) 4799.47,5298.78 4799.47,6326.85 cw(c4908.27,6326.85) 4831.34,6403.79 6100.49,7672.93 cw(c6177.42,7596) 6177.42,7704.8 6325.66,7704.8 6541.81,7704.8 6935,7704.8 cw(c6935,7684) 6955.8,7684 6955.8,7673 cw(c6929,7673) 6929,7646.2 ccw(c6929,7642.2) 6925,7642.2 v1(6925,7625)
HPCC_B_44_P: J7.G2 U16.F9 | length 3836.4
  (L10) Inner 9 w3.5: v1(4822.83,5295.28) 4810.32,5295.28 cw(c4810.32,5298.78) 4807.85,5296.3 cw(c4810.32,5298.78) 4806.82,5298.78 4806.82,5516.23 cw(c4809.3,5516.23) 4807.55,5517.98 ccw(c4805.8,5519.73) 4808.27,5519.73 4808.27,6326.85 cw(c4908.27,6326.85) 4837.56,6397.56 6106.71,7666.71 cw(c6177.42,7596) 6177.42,7696 6325.66,7696 6541.81,7696 6935,7696 cw(c6935,7684) 6947,7684 6947,7673 cw(c6929,7673) 6929,7655 cw(c6929,7659) 6925,7659 v1(6925,7675)